# Altium PCB pcb_88.PcbDoc (part 1 of 3) (continued)
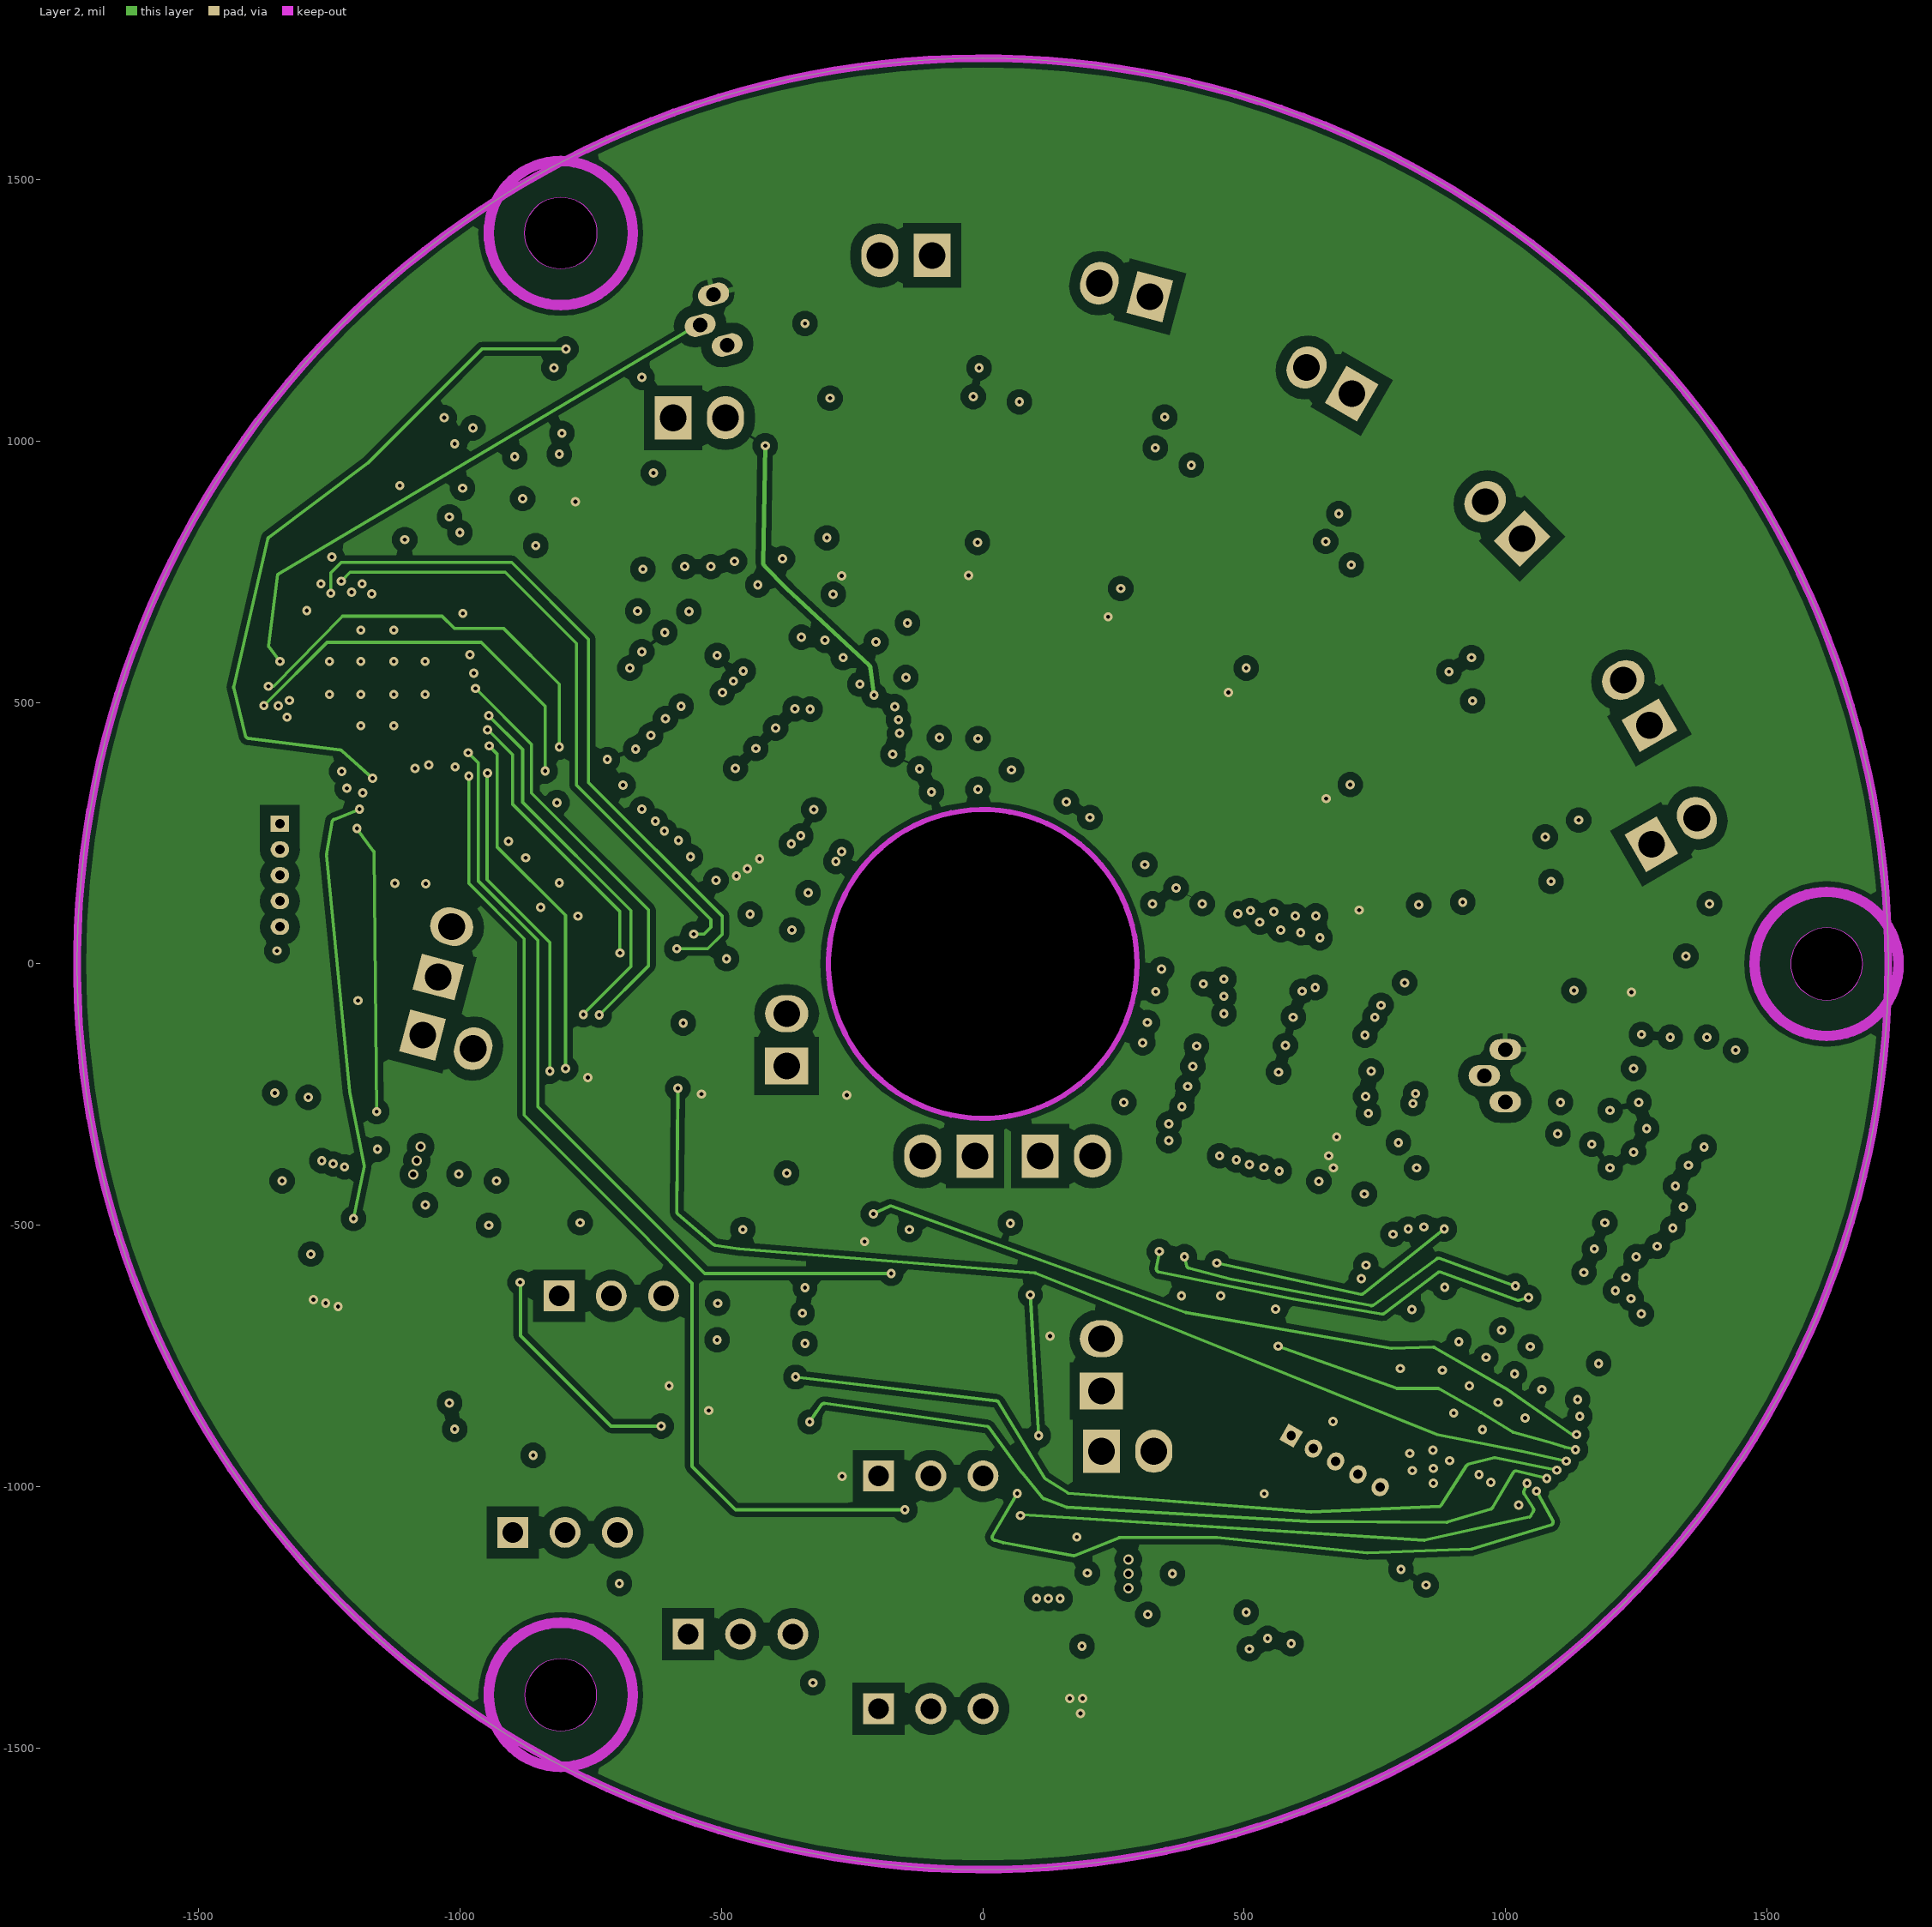
[diagram p3: Layer 2]
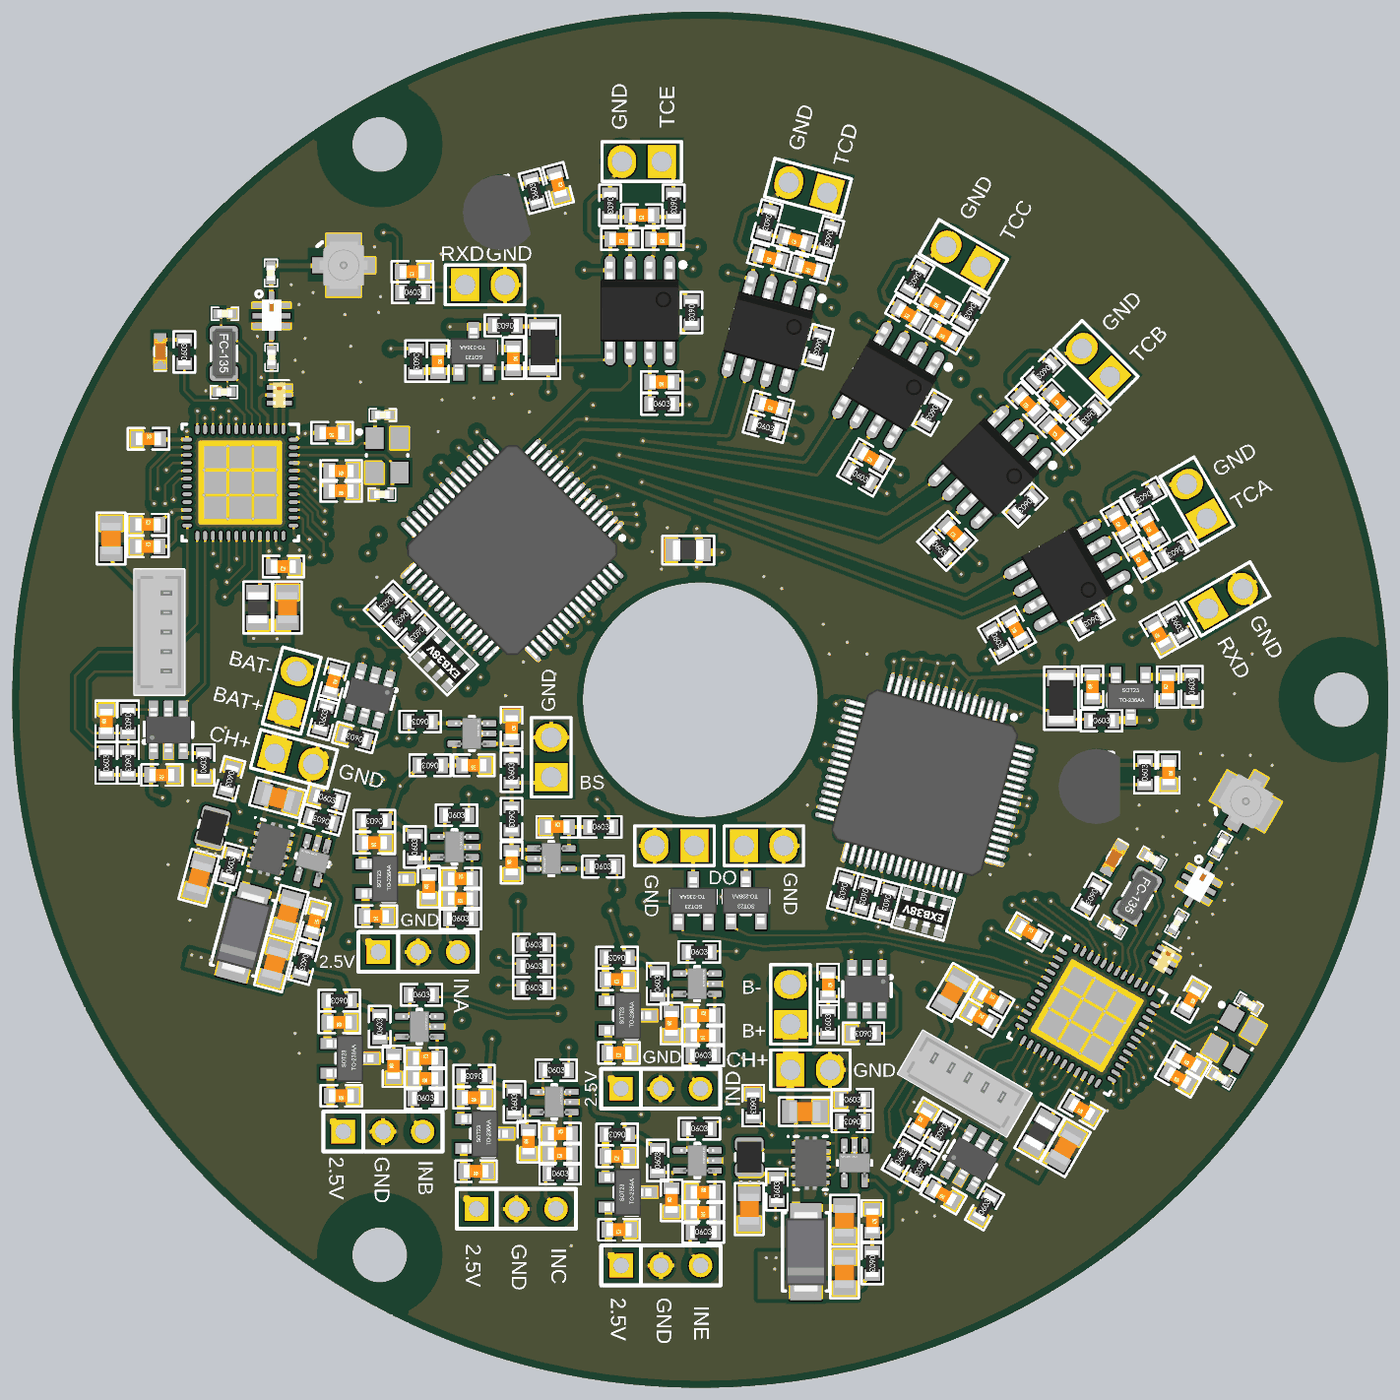
[diagram p6: 3D render of the assembled board from above, using the file's embedded part models]
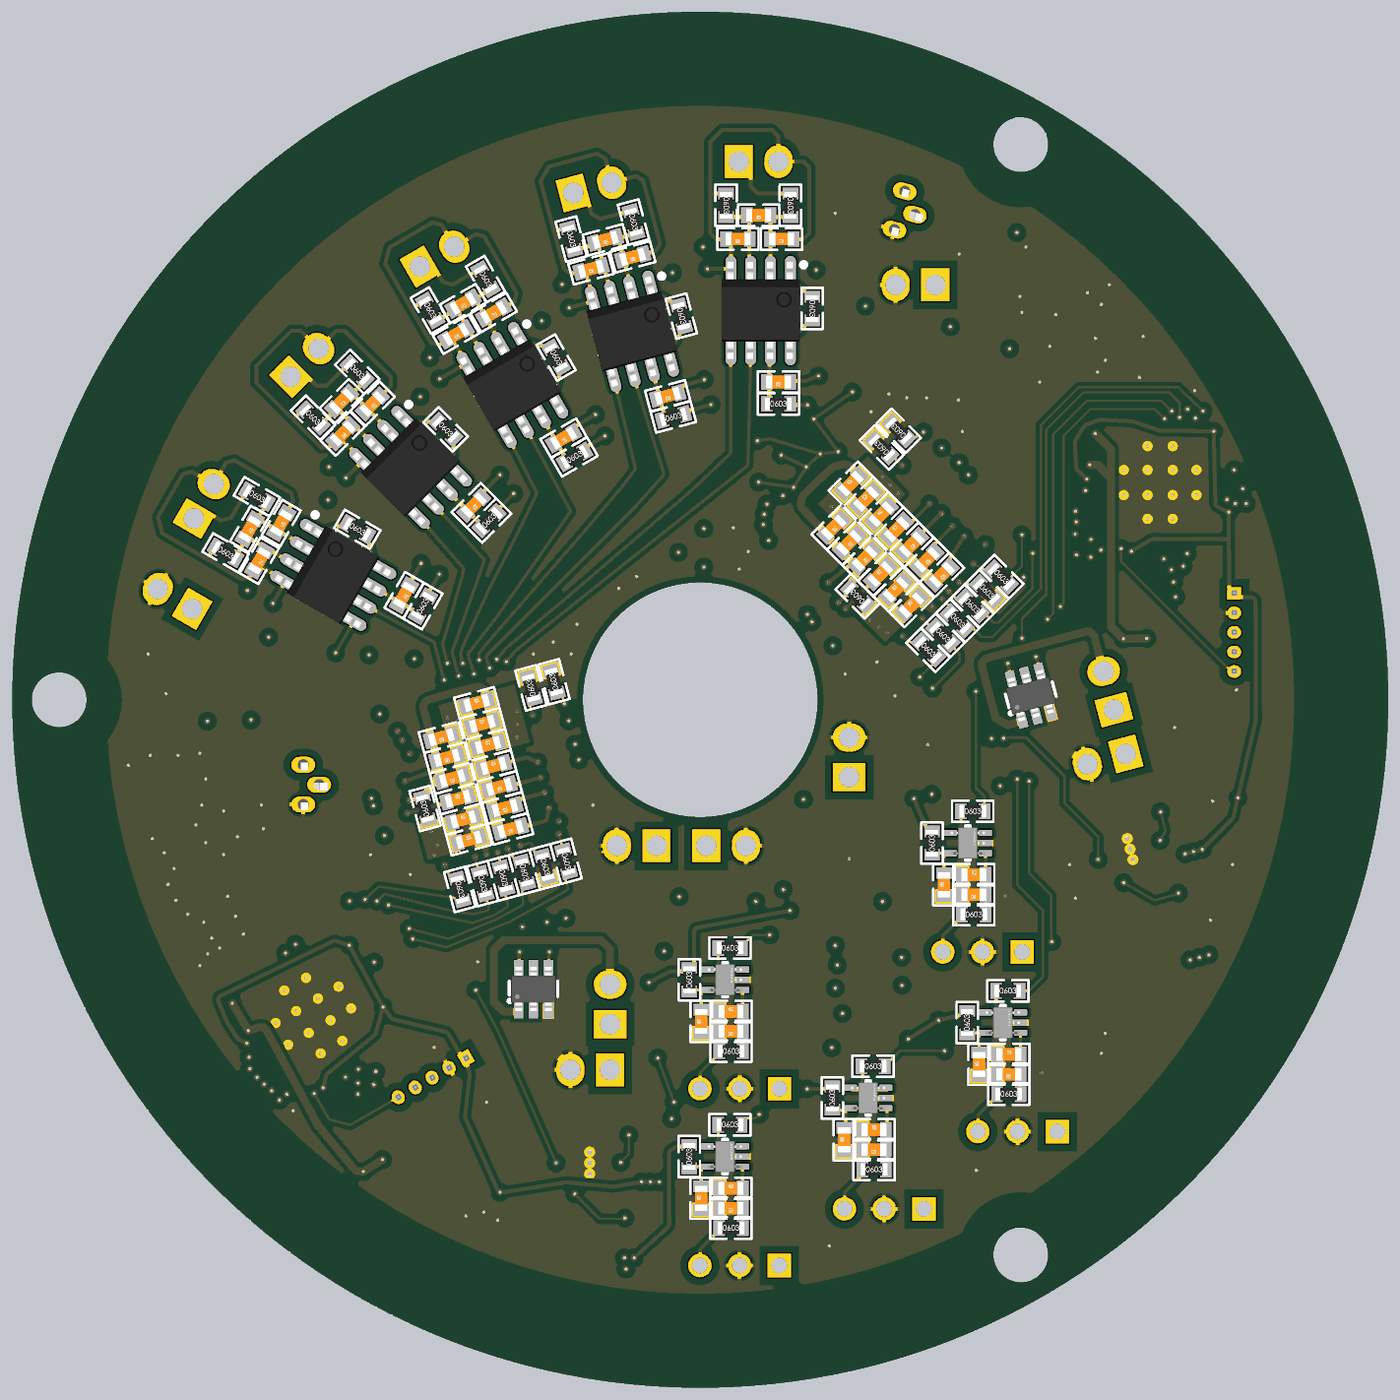
[diagram p7: 3D render of the assembled board from below, using the file's embedded part models]

## Layer stack, top to bottom
Top Solder: solder mask 0.4, Solder Resist, Dk 3.5
Top Layer: signal copper 1.378
Dielectric 2: prepreg 7.874, PP-006, Dk 4.1
Layer 1: signal copper 0.6693
Dielectric 1: dielectric 41.9291, FR-4, Dk 4.8
Layer 2: signal copper 0.6693
Dielectric 3: prepreg 7.874, PP-006, Dk 4.1
Bottom Layer: signal copper 1.378
Bottom Solder: solder mask 0.4, Solder Resist, Dk 3.5

## Board outline
-1732.28,0 ccw(c0,0) 0,-1732.28 ccw(c0,0) 1732.28,0 ccw(c0,0) 0,1732.28 ccw(c0,0)
cut-out: -295.28,0 ccw(c0,0) 0,-295.28 ccw(c0,0) 295.28,0 ccw(c0,0) 0,295.28 ccw(c0,0)
cut-out: -875.98,-1397.91 ccw(c-807.09,-1397.91) -807.09,-1466.81 ccw(c-807.09,-1397.91) -738.19,-1397.91 ccw(c-807.09,-1397.91) -807.09,-1329.02 ccw(c-807.09,-1397.91)
cut-out: 1545.28,0 ccw(c1614.17,0) 1614.17,-68.9 ccw(c1614.17,0) 1683.07,0 ccw(c1614.17,0) 1614.17,68.9 ccw(c1614.17,0)
cut-out: -807.09,1329.02 cw(c-807.09,1397.91) -875.98,1397.91 cw(c-807.09,1397.91) -807.09,1466.81 cw(c-807.09,1397.91) -738.19,1397.91 cw(c-807.09,1397.91)

## Design rules (kind name [scope] priority, off if disabled: settings)
Clearance [All] p1: gap=6 ignorepadtopadclearanceinfootprint=TRUE except(8: Arc-Fill Arc-Region Track-Fill Track-Region SMDPad-Fill SMDPad-Region; 10: Arc-THPad Arc-Poly Track-Poly SMDPad-Poly THPad-Fill Via-Fill Via-Poly Via-Region Fill-Fill Fill-Poly Fill-Region Fill-Hole Poly-Poly Poly-Region Region-Region Region-Hole; 20: Track-THPad THPad-THPad THPad-Poly THPad-Region THPad-Text Poly-Hole Text-Hole)
ComponentClearance [All] p1: gap=0 collisioncheckmode=3 verticalgap=0 showdistances=FALSE
MinimumSolderMaskSliver [All] p1: minsoldermaskwidth=0
PolygonConnect [All] p1: thpad.connectstyle=Relief thpad.reliefconductorwidth=10 thpad.reliefentries=4 thpad.polygonreliefangle="90 Angle" thpad.airgapwidth=10 smdpad.connectstyle=Direct smdpad.reliefconductorwidth=10 smdpad.reliefentries=4 smdpad.polygonreliefangle="90 Angle" smdpad.airgapwidth=10 via.connectstyle=Direct via.reliefconductorwidth=10 via.reliefentries=4 via.polygonreliefangle="90 Angle" via.airgapwidth=10
RoomDefinition U_MCU2 [InComponentClass('U_MCU2')] p1: confinementstyle=ConfineIn formatcopy=TRUE lockcomponents=FALSE outline -1526,-220 -730,-220 -730,1345 -1526,1345
RoomDefinition "U_Thermocouple channel5" [InComponentClass('U_Thermocouple channel5')] p2: confinementstyle=ConfineIn formatcopy=TRUE lockcomponents=TRUE outline -315,715 10,715 10,1410 -315,1410
RoomDefinition U_MCU1 [InComponentClass('U_MCU1')] p3: confinementstyle=ConfineIn formatcopy=TRUE lockcomponents=FALSE outline 450,-1344.99 1490,-1344.99 1490,-139.99 450,-139.99
RoomDefinition TOP [InComponentClass('TOP')] p4: confinementstyle=ConfineIn formatcopy=TRUE lockcomponents=FALSE outline -1479,-761 1440,-761 1440,1182 -1479,1182
RoomDefinition U_AblationChannel3 [InComponentClass('U_AblationChannel3')] p5: confinementstyle=ConfineIn formatcopy=TRUE lockcomponents=FALSE outline -624.52,-1337.63 -297.52,-1337.63 -297.52,-892.63 -624.52,-892.63
RoomDefinition U_Battery1 [InComponentClass('U_Battery1')] p6: confinementstyle=ConfineIn formatcopy=TRUE lockcomponents=FALSE outline 83,-1517 488,-1517 488,-652 83,-652
RoomDefinition U_Battery2 [InComponentClass('U_Battery2')] p7: confinementstyle=ConfineIn formatcopy=TRUE lockcomponents=FALSE outline -1318,-740 -747,-740 -747,138 -1318,138
RoomDefinition U_ThermocoupleADC [InComponentClass('U_ThermocoupleADC')] p8: confinementstyle=ConfineIn formatcopy=TRUE lockcomponents=FALSE outline -1062,-611 1268,-611 1268,1738 -1062,1738
RoomDefinition "U_Thermocouple channel4" [InComponentClass('U_Thermocouple channel4')] p9: confinementstyle=ConfineIn formatcopy=TRUE lockcomponents=TRUE outline -51.65,713.03 262.27,628.91 442.15,1300.23 128.23,1384.35
RoomDefinition "U_Thermocouple channel2" [InComponentClass('U_Thermocouple channel2')] p10: confinementstyle=ConfineIn formatcopy=TRUE lockcomponents=TRUE outline 425.69,514.3 655.5,284.49 1146.94,775.93 917.13,1005.74
RoomDefinition "U_Thermocouple channel3" [InComponentClass('U_Thermocouple channel3')] p11: confinementstyle=ConfineIn formatcopy=TRUE lockcomponents=TRUE outline 544.74,1247.38 187.24,628.17 473.03,463.17 830.53,1082.38
RoomDefinition "U_Thermocouple channel1" [InComponentClass('U_Thermocouple channel1')] p12: confinementstyle=ConfineIn formatcopy=TRUE lockcomponents=TRUE outline 611.77,322.08 774.27,40.62 1380.49,390.62 1217.99,672.08
RoomDefinition U_AblationChannel5 [InComponentClass('U_AblationChannel5')] p13: confinementstyle=ConfineIn formatcopy=TRUE lockcomponents=FALSE outline -265,-1480 63,-1480 63,-1040 -265,-1040
RoomDefinition U_AblationChannel4 [InComponentClass('U_AblationChannel4')] p14: confinementstyle=ConfineIn formatcopy=TRUE lockcomponents=FALSE outline -265,-1035 63,-1035 63,-595 -265,-595
RoomDefinition U_AblationChannel2 [InComponentClass('U_AblationChannel2')] p15: confinementstyle=ConfineIn formatcopy=TRUE lockcomponents=FALSE outline -964,-1143 -637,-1143 -637,-702 -964,-702
RoomDefinition U_AblationChannel1 [InComponentClass('U_AblationChannel1')] p16: confinementstyle=ConfineIn formatcopy=TRUE lockcomponents=FALSE outline -876.19,-690.84 -548.19,-690.84 -548.19,-249.84 -876.19,-249.84
RoutingVias [All] p1: holewidth=7.87 width=17.72 viastyle="Through Hole" minholewidth=7.87 minwidth=17.72 maxholewidth=196.85 maxwidth=196.85
SilkToSilkClearance [All] p1: silktosilkclearance=1
SilkToSolderMaskClearance [IsPad] p1: minsilkscreentomaskgap=0 clearancetoexposedcopper=TRUE
SolderMaskExpansion [All] p1: expansion=4 istentingtop=FALSE
Width [All] p1: maxlimit=100 minlimit=6 preferedwidth=10
26 further rules are at their usual default settings.

## Classes and differential pairs
channel class ThermocoupleFrontEnd: "U_Thermocouple channel1" "U_Thermocouple channel2" "U_Thermocouple channel3" "U_Thermocouple channel4" "U_Thermocouple channel5"
channel class MCU: U_MCU1 U_MCU2
channel class Battery: U_Battery1 U_Battery2
channel class AblationChannel: U_AblationChannel1 U_AblationChannel2 U_AblationChannel3 U_AblationChannel4 U_AblationChannel5
component class "U_Thermocouple channel5": C66E C67E C68E C69E C70E C71E C72E C73E P8E R54E R55E R56E R57E R58E R59E R60E R61E U19E U20E
component class "U_Thermocouple channel4": C66D C67D C68D C69D C70D C71D C72D C73D P8D R54D R55D R56D R57D R58D R59D R60D R61D U19D U20D
component class "U_Thermocouple channel3": C66C C67C C68C C69C C70C C71C C72C C73C P8C R54C R55C R56C R57C R58C R59C R60C R61C U19C U20C
component class "U_Thermocouple channel2": C66B C67B C68B C69B C70B C71B C72B C73B P8B R54B R55B R56B R57B R58B R59B R60B R61B U19B U20B
component class "U_Thermocouple channel1": C66A C67A C68A C69A C70A C71A C72A C73A P8A R54A R55A R56A R57A R58A R59A R60A R61A U19A U20A
component class U_ThermocoupleADC: "   " B1 C36 C37 C38 C39 C40 C41 C42 C43 C44 C45 C46 C47 C48 C49 C50 C51 C52 C53 C54 C55 C56 C57 C58 C59 C60 C61 C62 C63 C64 C65 C74 C75 R28 R29 R30 R31 R32 R33 R34 R35 R36 R37 R38 R39 R40 R41 R42 R43 R44 R45 R46 R47 R48 R49 R50 R51 R52 R53 R66 R67 R68 R69 R70 R71 R73 U13 U14 U15 U16 U17 U18
component class U_MCU2: C15B C16B C17B C18B C19B C20B C21B C22B C23B C24B C25B C26B C27B C28B C29B C30B C31B J2B J3B L2B R17B R18B R19B R20B U9B U10B U11B U12B X1B X2B
component class U_MCU1: C15A C16A C17A C18A C19A C20A C21A C22A C23A C24A C25A C26A C27A C28A C29A C30A C31A J2A J3A L2A R17A R18A R19A R20A U9A U10A U11A U12A X1A X2A
component class U_Battery2: BT1B C9B C10B C11B C12B C13B C14B D1B L1B P1B Q1B R8B R9B R10B R11B R12B R13B R14B U4B U5B U6B
component class U_Battery1: BT1A C9A C10A C11A C12A C13A C14A D1A L1A P1A Q1A R8A R9A R10A R11A R12A R13A R14A U4A U5A U6A
component class U_AblationChannel5: C1E C2E C3E C4E C5E C6E C7E C8E J1E R1E R2E R3E R4E R5E R6E R7E U1E U2E U3E
component class U_AblationChannel4: C1D C2D C3D C4D C5D C6D C7D C8D J1D R1D R2D R3D R4D R5D R6D R7D U1D U2D U3D
component class U_AblationChannel3: C1C C2C C3C C4C C5C C6C C7C C8C J1C R1C R2C R3C R4C R5C R6C R7C U1C U2C U3C
component class U_AblationChannel2: C1B C2B C3B C4B C5B C6B C7B C8B J1B R1B R2B R3B R4B R5B R6B R7B U1B U2B U3B
component class U_AblationChannel1: C1A C2A C3A C4A C5A C6A C7A C8A J1A R1A R2A R3A R4A R5A R6A R7A U1A U2A U3A
component class TOP: C32 C33 C34 C35 C76 C77 D2 D3 P2 P3 P4 P5 P7 R15 R16 R21 R22 R23 R24 R25 R26 R27 R62 R63 R64 R65 U7 U8 VD1 VD2

## Components (designator, comment, footprint, x,y, rotation, side; value= is the part's Value field where it differs from the comment)
B1 "600Ω@100MHz" R0805_L -30,377 r0 top
BT1A "18650" CP1X2 227.03,-817 r90 top (schematic designator BT1)
BT1B "18650" CP1X2 -1041.51,-25.17 r75 top (schematic designator BT1)
C1A "1uF" R0603_C -815.53,-545 r180 top (schematic designator C1)
C1B "1uF" R0603_C -903.87,-997.24 r180 top (schematic designator C1)
C1C "1uF" R0603_C -564.53,-1187 r180 top (schematic designator C1)
C1D "1uF" R0603_C -204.38,-889.29 r180 top (schematic designator C1)
C1E "1uF" R0603_C -204.1,-1334.41 r180 top (schematic designator C1)
C2A "1uF" R0603_C -820.53,-360 r180 top (schematic designator C2)
C2B "1uF" R0603_C -908.87,-812.24 r180 top (schematic designator C2)
C2C "1uF" R0603_C -569.53,-1002 r180 top (schematic designator C2)
C2D "1uF" R0603_C -209.38,-704.29 r180 top (schematic designator C2)
C2E "1uF" R0603_C -209.1,-1149.41 r180 top (schematic designator C2)
C3A "100nF" R0603_C -683.68,-470.71 r90 top (schematic designator C3)
C3B "100nF" R0603_C -772.02,-922.95 r90 top (schematic designator C3)
C3C "100nF" R0603_C -432.68,-1112.71 r90 top (schematic designator C3)
C3D "100nF" R0603_C -72.53,-815 r90 top (schematic designator C3)
C3E "100nF" R0603_C -72.25,-1260.12 r90 top (schematic designator C3)
C4A "100nF" R0603_C -603.68,-500.71 r180 top (schematic designator C4)
C4B "100nF" R0603_C -692.02,-952.95 r180 top (schematic designator C4)
C4C "100nF" R0603_C -352.68,-1142.71 r180 top (schematic designator C4)
C4D "100nF" R0603_C 7.47,-845 r180 top (schematic designator C4)
C4E "100nF" R0603_C 7.75,-1290.12 r180 top (schematic designator C4)
C5A "100pF" R0603_C -603.68,-450.71 r0 top (schematic designator C5)
C5B "100pF" R0603_C -692.02,-902.95 r0 top (schematic designator C5)
C5C "100pF" R0603_C -352.68,-1092.71 r0 top (schematic designator C5)
C5D "100pF" R0603_C 7.47,-795 r0 top (schematic designator C5)
C5E "100pF" R0603_C 7.75,-1240.12 r0 top (schematic designator C5)
C6A "100nF" R0603_C -613.68,-465.71 r90 bottom (schematic designator C6)
C6B "100nF" R0603_C -702.02,-917.95 r90 bottom (schematic designator C6)
C6C "100nF" R0603_C -362.68,-1107.71 r90 bottom (schematic designator C6)
C6D "100nF" R0603_C -2.53,-810 r90 bottom (schematic designator C6)
C6E "100nF" R0603_C -2.25,-1255.12 r90 bottom (schematic designator C6)
C7A "100nF" R0603_C -688.68,-490.71 r0 bottom (schematic designator C7)
C7B "100nF" R0603_C -777.02,-942.95 r0 bottom (schematic designator C7)
C7C "100nF" R0603_C -437.68,-1132.71 r0 bottom (schematic designator C7)
C7D "100nF" R0603_C -77.53,-835 r0 bottom (schematic designator C7)
C7E "100nF" R0603_C -77.25,-1280.12 r0 bottom (schematic designator C7)
C8A "100pF" R0603_C -688.68,-440.71 r180 bottom (schematic designator C8)
C8B "100pF" R0603_C -777.02,-892.95 r180 bottom (schematic designator C8)
C8C "100pF" R0603_C -437.68,-1082.71 r180 bottom (schematic designator C8)
C8D "100pF" R0603_C -77.53,-785 r180 bottom (schematic designator C8)
C8E "100pF" R0603_C -77.25,-1230.12 r180 bottom (schematic designator C8)
C9A "100nF" R0603_C 322.03,-717 r270 top (schematic designator C9)
C9B "100nF" R0603_C -923.87,46.84 r255 top (schematic designator C9)
C10A "10uF" R0805_C 263.41,-1037 r180 top (schematic designator C10)
C10B "10uF" R0805_C -1063.31,-247.09 r165 top (schematic designator C10)
C11A "10uF" R0805_C 123.41,-1282.43 r90 top (schematic designator C11)
C11B "10uF" R0805_C -1262.07,-447.92 r75 top (schematic designator C11)
C12A "100nF" R0603_C 433.41,-1312 r270 top (schematic designator C12)
C12B "100nF" R0603_C -970.28,-556.72 r255 top (schematic designator C12)
C13A "10uF" R0805_C 363.41,-1442 r270 top (schematic designator C13)
C13B "10uF" R0805_C -1071.54,-664.17 r255 top (schematic designator C13)
C14A "10uF" R0805_C 363.41,-1312 r90 top (schematic designator C14)
C14B "10uF" R0805_C -1037.9,-538.6 r75 top (schematic designator C14)
C15A "100nF" R0603_C 732.31,-752.62 r330 top (schematic designator C15)
C15B "100nF" R0603_C -1391.05,441 r0 top (schematic designator C15)
C16A "100nF" R0603_C 828.83,-584.58 r330 top (schematic designator C16)
C16B "100nF" R0603_C -1389.34,657 r0 top (schematic designator C16)
C17A "100nF" R0603_C 1203.18,-952.31 r150 top (schematic designator C17)
C17B "100nF" R0603_C -904.05,526 r180 top (schematic designator C17)
C18A "100nF" R0603_C 960.51,-1031.23 r150 top (schematic designator C18)
C18B "100nF" R0603_C -1049.34,335.39 r180 top (schematic designator C18)
C19A "10uF" R0805_C 634.89,-736.79 r240 top (schematic designator C19)
C19B "10uF" R0805_C -1483.34,406 r270 top (schematic designator C19)
C20A "22uF" R0805_C 919.44,-1127.65 r240 top (schematic designator C20)
C20B "22uF" R0805_C -1039.34,232 r270 top (schematic designator C20)
C21A "100nF" R0603_C 1228.18,-909.01 r150 top (schematic designator C21)
C21B "100nF" R0603_C -904.05,576 r180 top (schematic designator C21)
C22A "100nF" R0603_C 1236,-754.99 r240 top (schematic designator C22)
C22B "100nF" R0603_C -927.05,672 r180 top (schematic designator C22)
C23A "100pF" R0402_C 1199.8,-562.05 r60 top (schematic designator C23)
C23B "100pF" R0402_C -1079.34,862 r90 top (schematic designator C23)
C24A "100pF" R0402_C 1309.53,-366.72 r60 top (schematic designator C24)
C24B "100pF" R0402_C -1081.06,1074.72 r90 top (schematic designator C24)
C25A "12pF" R0402_C 1310,-951 r330 top (schematic designator C25)
C25B "12pF" R0402_C -801.62,517 r0 top (schematic designator C25)
C26A "12pF" R0402_C 1381,-766 r150 top (schematic designator C26)
C26B "12pF" R0402_C -799.34,717 r180 top (schematic designator C26)
C27A "1uF" R0603_C 704.81,-800.25 r330 top (schematic designator C27)
C27B "1uF" R0603_C -1391.05,386 r0 top (schematic designator C27)
C28A "12pF" R0402_C 1137.89,-399.29 r330 top (schematic designator C28)
C28B "12pF" R0402_C -1196.62,972 r180 top (schematic designator C28)
C29A "12pF" R0402_C 1037.88,-572.49 r330 top (schematic designator C29)
C29B "12pF" R0402_C -1199.34,774.72 r0 top (schematic designator C29)
C30A "100nF" R0603_C 558.8,-1059.71 r60 top (schematic designator C30)
C30B "100nF" R0603_C -1495.54,-54.3 r90 top (schematic designator C30)
C31A "100nF" R0603_C 612.54,-1246.63 r150 top (schematic designator C31)
C31B "100nF" R0603_C -1355.54,-189.3 r180 top (schematic designator C31)
C32 "1nF" R0603_C 1155.92,164.02 r120 top
C33 "100pF" R0603_C -475,-410 r90 top
C34 "100nF" R0603_C -360,-320 r0 top
C35 "1nF" R0603_C -724.74,1077.48 r180 top
C36 "1uF" R0603_C 624.09,-197.74 r345 bottom
C37 "1uF" R0603_C 637.91,-146.15 r345 bottom
C38 "1uF" R0603_C 651.73,-94.57 r345 bottom
C39 "1uF" R0603_C 534.38,-113.51 r165 bottom